# Altium PCB PCB_V2.0.PcbDoc (continued)
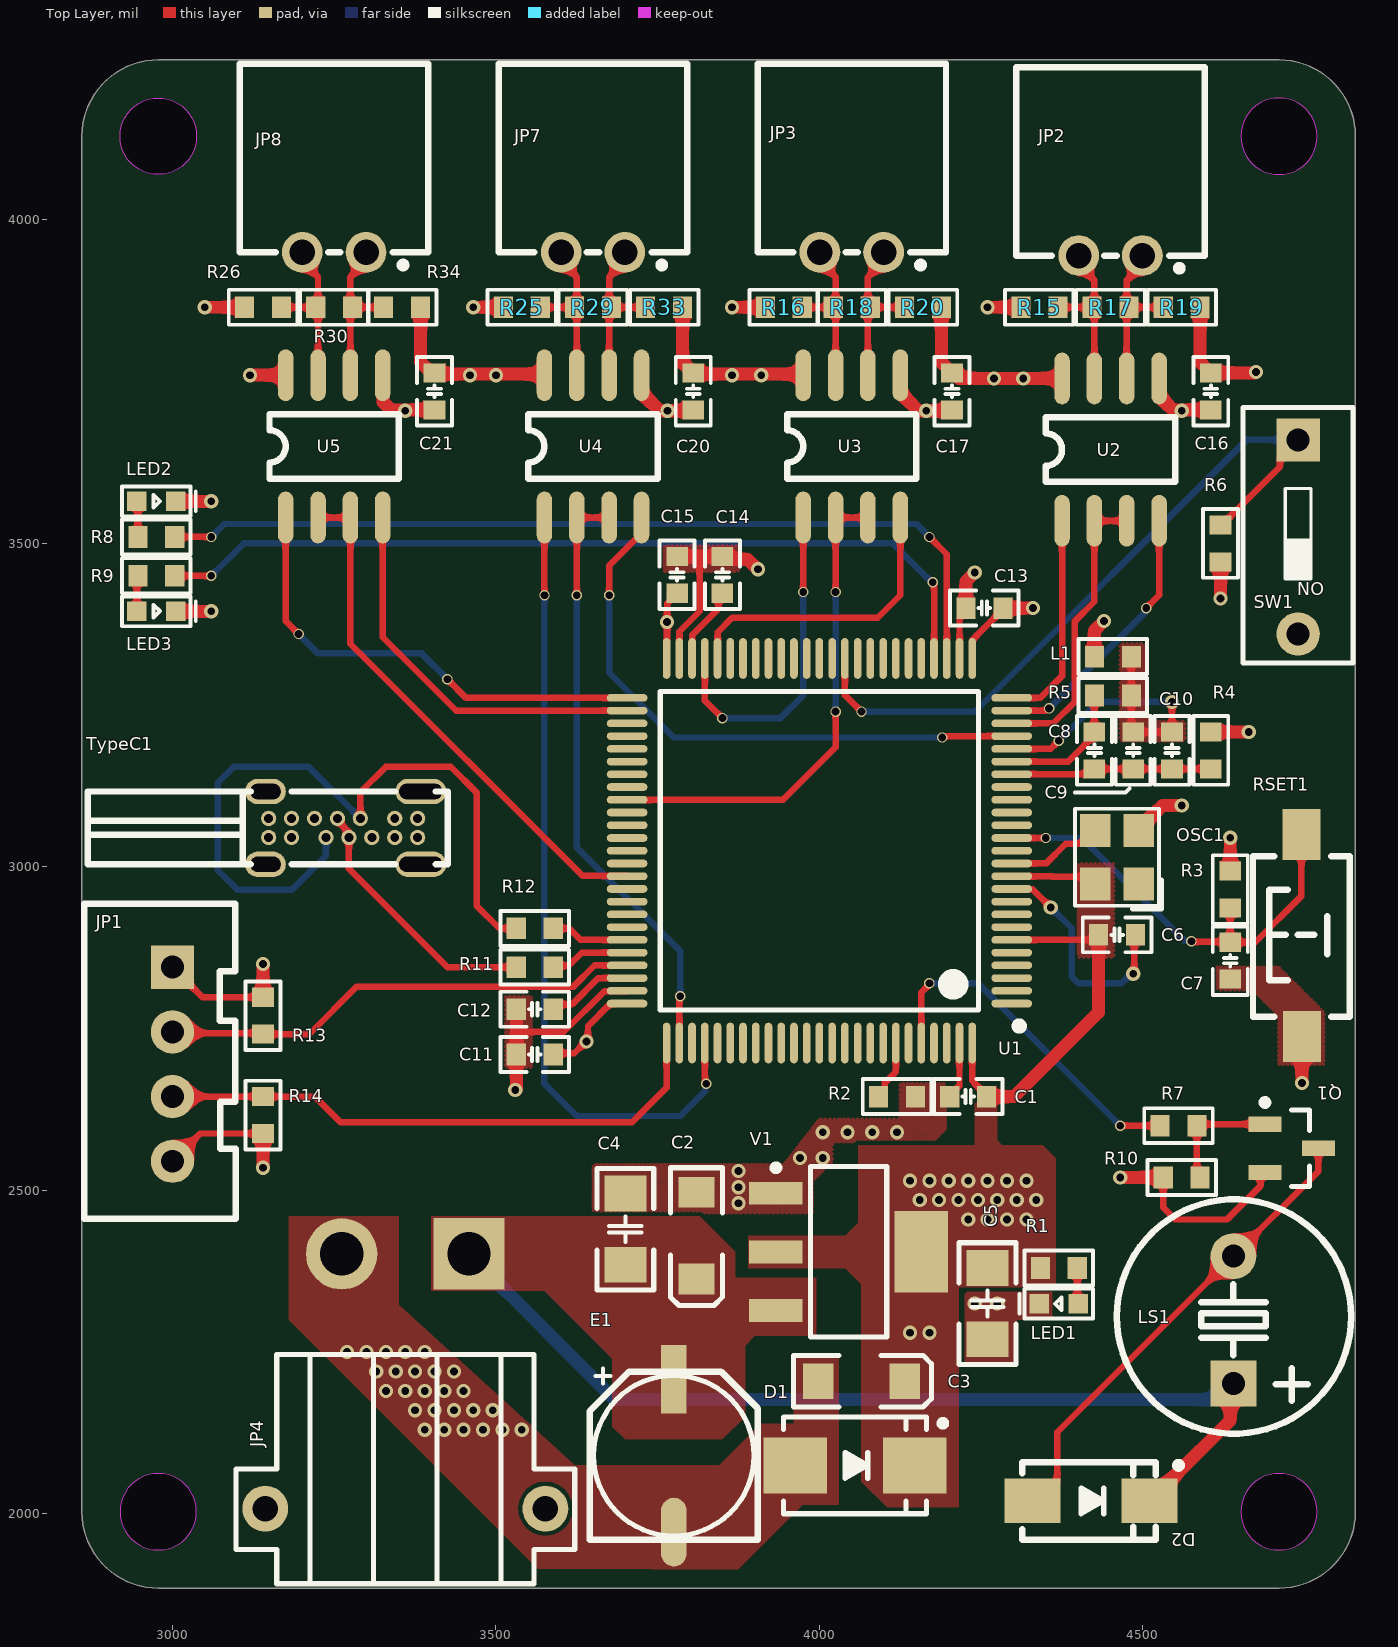
[diagram p0: Top Layer view]
## Components (designator, comment, footprint, x,y, rotation, side; value= is the part's Value field where it differs from the comment)
C1 "100nF" C0603_L 4230,2645 r0 top
C2 "10uF" C_3216 3810,2430 r90 top
C3 "10uF" C_3216 4065,2205 r180 top
C4 "100nF" C1206_L 3700,2440 r270 top
C5 "100nF" C1206_L 4260,2325 r90 top
C6 "100nF" C0603_L 4460,2895 r0 top
C7 "100nF" C0603_L 4635,2855 r90 top
C8 "1uF" C0603_L 4425,3180 r270 top
C9 "10uF" C0603_L 4485,3180 r90 top
C10 "10nF" C0603_L 4545,3180 r270 top
C11 "100nF" C0603_L 3560,2710 r0 top
C12 "2.2uF" C0603_L 3560,2780 r180 top
C13 "100nF" C0603_L 4255,3400 r180 top
C14 "2.2uF" C0603_L 3850,3451.46 r270 top
C15 "100uF" C0603_L 3780,3451.46 r270 top
C16 "100nF" C0603_L 4605,3735 r270 top
C17 "100nF" C0603_L 4205,3735 r270 top
C20 "100nF" C0603_L 3805,3735 r270 top
C21 "100nF" C0603_L 3405,3735 r270 top
D1 "SMBJ3.3A" SMB 4055,2075 r180 top
D2 "SS14" SMA 4420,2020 r0 top
E1 "220uF/25V" "CS 6*6 - B" 3775,2090 r90 top
JP1 "HDR-1X4" XH2.54-LI-4P 3000,2695 r270 top
JP2 "HDR-1X2" XH2.54-W-2P 4450,3945 r180 top
JP3 "HDR-1X2" XH2.54-W-2P 4050,3950 r180 top
JP4 "XT30-M" XT30PW-M 3360,2205 r180 top
JP7 "HDR-1X2" XH2.54-W-2P 3650,3950 r180 top
JP8 "HDR-1X2" XH2.54-W-2P 3250,3950 r180 top
L1 "磁珠" L0603 4453.54,3325 r0 top
LED1 "绿色" LED0603_B 4370,2325 r180 top
LED2 "红色" LED0603_G 2975,3565 r0 top
LED3 "红色" LED0603_R 2975,3395 r0 top
LS1 "DC5V" "BEEP 5x9x5.5" 4640,2300 r0 top
OSC1 "8MHz" XTAL-3225-4P 4460,3015 r90 top
Q1 "SS8050" SOT23-3N 4730,2565 r270 top
R1 "3KΩ" R0603_L 4370,2380 r0 top
R2 "10KΩ" R0603_L 4120,2645 r0 top
R3 "10KΩ" R0603_L 4635,2965 r90 top
R4 "0Ω" R0603_L 4605,3180 r270 top
R5 "10Ω" R0603_L 4453.54,3265 r180 top
R6 "10KΩ" R0603_L 4620,3500 r270 top
R7 "1KΩ" R0603_L 4555,2600 r0 top
R8 "1KΩ" R0603_L 2975,3510 r0 top
R9 "1KΩ" R0603_L 2975,3450 r0 top
R10 "10KΩ" R0603_L 4560,2520 r180 top
R11 "10Ω" R0603_L 3560,2845 r180 top
R12 "10Ω" R0603_L 3560,2905 r180 top
R13 "10K" R0603_L 3140,2770 r90 top
R14 "10K" R0603_L 3140,2616.46 r90 top
R15 "10KΩ" R0603_L 4340,3865 r180 top
R16 "10KΩ" R0603_L 3945,3865 r180 top
R17 "120Ω" R0603_L 4450,3865 r180 top
R18 "120Ω" R0603_L 4050,3865 r180 top
R19 "10KΩ" R0603_L 4560,3865 r180 top
R20 "10KΩ" R0603_L 4160,3865 r180 top
R25 "10KΩ" R0603_L 3540,3865 r180 top
R26 "10KΩ" R0603_L 3140,3865 r180 top
R29 "120Ω" R0603_L 3650,3865 r180 top
R30 "120Ω" R0603_L 3250,3865 r180 top
R33 "10KΩ" R0603_L 3760,3865 r180 top
R34 "10KΩ" R0603_L 3355,3865 r180 top
RSET1 "3x6x5" "SW SMD-3*6*2.5" 4745,2895 r90 top
SW1 "DIP-SW-1P" "SW DIP-1P" 4740,3510 r180 top
TypeC1 "U264-141N-4BAC10" USB-C-Type-侧插 3263.86,3060.24 r90 top
U1 "STM32H743VIT6" LQFP-100_L14.0-W14.0-P0.50-LS16.0-BL 4000,3025 r90 top
U2 "SSP485" SOP-8 4450,3645 r90 top
U3 "SSP485" SOP-8 4050,3650 r90 top
U4 "SSP485" SOP-8 3650,3650 r90 top
U5 "SSP485" SOP-8 3250,3650 r90 top
V1 "AMS1117-3V3" SOT223_L 4045,2405 r270 top

## Footprints (in the part's own frame and the unit in brackets; to place one, negate y for a bottom-side part, rotate by r counter-clockwise, add the part's x,y. Pads: shape width x height; smd on the part's side, far side on the other; paste and mask are expansions set on the pad)
"BEEP 5x9x5.5" [mm] "5*9*5.5mm(脚距,直径,高度)        淘宝ID:黄晶宝石"
  rect 1.8x1.8 hole 0.9: 1(0,-2.5)
  round 1.8 hole 0.9: 2(0,2.5)
  silkscreen extent -4.58,-4.47 4.62,4.72, body extent -4.5,-4.5 4.5,4.5, height 5.45
C0603_L [mm] "贴片MLCC电容"
  rect 0.75x0.85 smd: 1(-0.725,0) 2(0.725,0)
  silkscreen extent -1.35,-0.69 1.35,0.69, body extent -0.8,-0.4 0.8,0.4, height 0.8
C1206_L [mm] "贴片MLCC电容"
  rect 1.4x1.65 smd: 1(-1.4,0) 2(1.4,0)
  silkscreen extent -2.39,-1.12 2.39,1.12, body extent -1.6,-0.8 1.6,0.8, height 1.1
C_3216 [mm] "长3.2mm，宽1.6mm，厚1.6mm"
  rect 1.2x1.4 smd: 1(-1.7,0) 2(1.7,0)
  silkscreen extent -2.74,-1.02 2.67,1.02, body extent -1.6,-0.8 1.6,0.8, height 1.63
"CS 6*6 - B" [mm] "直径6mm，高6mm             联系卖家 免费人工查找封装"
  rect 2.7x1 smd: 1(3,0)
  oval 2.7x1 smd: 2(-3,0)
  silkscreen extent -3.3,-3.3 3.43,3.3, body extent -3.5,-3.15 3.5,3.15, height 6.05
L0603 [mm] "0603贴片叠层电感"
  rect 0.75x0.85 smd: 1(-0.725,0) 2(0.725,0)
  silkscreen extent -1.35,-0.69 1.35,0.69, body extent -0.8,-0.4 0.8,0.4, height 0.8
LED0603_B [mil] "蓝色0603LED"
  rect 30x30 smd: 1(-30,0) 2(30,0)
  silkscreen extent -53,-23 61,23, body extent -31,-16 32,16, height 24
LED0603_G [mil] "绿色LED"
  rect 30x30 smd: 1(-30,0) 2(30,0)
  silkscreen extent -53,-23 61,23, body extent -31,-16 31,16, height 24
LED0603_R [mil] "红色LED"
  rect 30x30 smd: 1(-30,0) 2(30,0)
  silkscreen extent -53,-23 61,23, body extent -31,-16 32,16, height 24
LQFP-100_L14.0-W14.0-P0.50-LS16.0-BL [mm]
  oval 0.3x1.6 smd paste-100 mask+0.051: 1(-6,-7.55) 2(-5.5,-7.55) 3(-5,-7.55) 4(-4.5,-7.55) 5(-4,-7.55) 6(-3.5,-7.55) 7(-3,-7.55) 8(-2.5,-7.55) 9(-2,-7.55) 10(-1.5,-7.55) 11(-1,-7.55) 12(-0.5,-7.55) 13(0,-7.55) 14(0.5,-7.55) 15(1,-7.55) 16(1.5,-7.55) 17(2,-7.55) 18(2.5,-7.55) 19(3,-7.55) 20(3.5,-7.55) 21(4,-7.55) 22(4.5,-7.55) 23(5,-7.55) 24(5.5,-7.55) 25(6,-7.55) 51(6,7.55) 52(5.5,7.55) 53(5,7.55) 54(4.5,7.55) 55(4,7.55) 56(3.5,7.55) 57(3,7.55) 58(2.5,7.55) 59(2,7.55) 60(1.5,7.55) 61(1,7.55) 62(0.5,7.55) 63(0,7.55) 64(-0.5,7.55) 65(-1,7.55) 66(-1.5,7.55) 67(-2,7.55) 68(-2.5,7.55) 69(-3,7.55) 70(-3.5,7.55) 71(-4,7.55) 72(-4.5,7.55) 73(-5,7.55) 74(-5.5,7.55) 75(-6,7.55)
  oval 1.6x0.3 smd paste-100 mask+0.051: 26(7.55,-6) 27(7.55,-5.5) 28(7.55,-5) 29(7.55,-4.5) 30(7.55,-4) 31(7.55,-3.5) 32(7.55,-3) 33(7.55,-2.5) 34(7.55,-2) 35(7.55,-1.5) 36(7.55,-1) 37(7.55,-0.5) 38(7.55,0) 39(7.55,0.5) 40(7.55,1) 41(7.55,1.5) 42(7.55,2) 43(7.55,2.5) 44(7.55,3) 45(7.55,3.5) 46(7.55,4) 47(7.55,4.5) 48(7.55,5) 49(7.55,5.5) 50(7.55,6) 76(-7.55,6) 77(-7.55,5.5) 78(-7.55,5) 79(-7.55,4.5) 80(-7.55,4) 81(-7.55,3.5) 82(-7.55,3) 83(-7.55,2.5) 84(-7.55,2) 85(-7.55,1.5) 86(-7.55,1) 87(-7.55,0.5) 88(-7.55,0) 89(-7.55,-0.5) 90(-7.55,-1) 91(-7.55,-1.5) 92(-7.55,-2) 93(-7.55,-2.5) 94(-7.55,-3) 95(-7.55,-3.5) 96(-7.55,-4) 97(-7.55,-4.5) 98(-7.55,-5) 99(-7.55,-5.5) 100(-7.55,-6)
  silkscreen extent -7.03,-8 6.25,6.25
R0603_L [mm] "1/10W贴片电阻"
  rect 0.75x0.85 smd: 1(-0.725,0) 2(0.725,0)
  silkscreen extent -1.35,-0.69 1.35,0.69, body extent -0.8,-0.4 0.8,0.4, height 0.4
SMA [mm] "4.5x2.6*2.2mm（长宽高，不包括引脚）联系卖家 免费查找封装"
  rect 2.2x1.75 smd: 1(-2.3,0) 2(2.3,0)
  silkscreen extent -2.7,-1.52 3.56,1.52, body extent -2.55,-1.3 2.55,1.3, height 2.15
SMB [mm] "4.7*3.9*2.2mm(长宽高，不包括引脚）联系卖家 免费查找封装"
  rect 2.5x2.2 smd: 1(2.35,0) 2(-2.35,0)
  silkscreen extent -3.57,-1.9 2.8,1.9, body extent -2.65,-1.8 2.65,1.8, height 2.35
SOP-8 [mil] "封装库来自淘宝卖家 ID：黄晶宝石"
  oval 80x24 smd: 1(-110,75) 2(-110,25) 3(-110,-25) 4(-110,-75) 5(110,-75) 6(110,-25) 7(110,25) 8(110,75)
  silkscreen extent -50,-100 50,100, body extent -118,-98 118,98, height 75
SOT23-3N [mm] "SOT23, 3-Leads, Body 2.9x1.3mm, Pitch 0.95mm, Lead Span 2.4mm, IPC Medium Density  联系卖家  获取最新版本"
  rect 0.6x1.3 smd: 1(-0.95,-1.05) 2(0.95,-1.05) 3(0,1.05)
  silkscreen extent -1.92,-1.17 1.5,0.7, body extent -1.5,-1.2 1.5,1.2, height 1.05
SOT223_L [mm] "SOT223, 4-Leads, Body 6.5x3.5mm, Pitch 2.3mm, Lead Span 7mm, IPC High Density"
  rect 0.9x2.1 smd: 1(-2.3,-2.85) 2(0,-2.85) 3(2.3,-2.85)
  rect 3.2x2.1 smd: 4(0,2.85)
  silkscreen extent -3.42,-2.97 3.35,1.5, body extent -3.25,-3.51 3.25,3.51, height 1.65
"SW DIP-1P" [mm] "4.1*9.9*7mm"
  rect 1.7x1.7 hole 0.9: 1(0,-3.81)
  round 1.7 hole 0.9: 2(0,3.81)
  silkscreen extent -2.16,-5.08 2.16,4.95, body extent -2.05,-4.95 2.05,4.95, height 6.65
"SW SMD-3*6*2.5" [mm] "3*6*2.5mm"
  rect 2x1.5 smd: 1(-3.996,-0.02) 2(3.937,0)
  silkscreen extent -3.21,-1.9 3.09,1.9, body extent -4,-1.75 4,1.75, height 2.59
USB-C-Type-侧插 [mm] "封装库来自淘宝ID:黄晶宝石"
  round 0.6 hole 0.35: 1(0.375,2.925) 2(0.375,2.025) 3(0.375,1.125) 4(0.375,0.225) 5(0.375,-0.675) 6(0.375,-2.025) 7(0.375,-2.925) 8(-0.375,-2.925) 9(-0.375,-2.025) 10(-0.375,-1.125) 11(-0.375,-0.225) 12(-0.375,0.675) 13(-0.375,2.025) 14(-0.375,2.925)
  oval 1x1.6 hole 0.6 slot 1.2 at 90 deg: 15(-1.43,3.05) 16(1.43,3.05)
  oval 1x2 hole 0.6 slot 1.7 at 90 deg: 17(-1.43,-3.05) 18(1.43,-3.05)
  silkscreen extent -1.43,-4.1 1.43,10.03
XH2.54-LI-4P [mm] "接插件，4P"
  rect 1.7x1.7 hole 0.9: 1(-3.81,0)
  round 1.7 hole 0.9: 2(-1.27,0) 3(1.27,0) 4(3.81,0)
  silkscreen extent -6.3,-3.45 6.07,2.49, body extent -6.31,-3.3 6.31,2.4, height 7.05
XH2.54-W-2P [mm]
  round 1.6 hole 1: 1(-1.25,0) 2(1.25,0)
  silkscreen extent -3.7,-7.4 3.7,0.6
XT30PW-M [mm] "TH, 4-Leads, Body 13.95x13.3mm"
  rect 2.8x2.8 hole 1.7: 1(-2.5,-5)
  round 2.8 hole 1.7: 2(2.5,-5)
  round 1.8 hole 1: MP1(-5.5,5) MP2(5.5,5)
  silkscreen extent -6.65,-1.05 6.65,7.95, body extent -6.65,-6 6.65,7.95, height 5.05
XTAL-3225-4P [mm] "3.2*2.5*0.7mm(长宽高)                             淘宝ID:黄晶宝石"
  rect 1.3x1.2 smd: 1(-1.05,-0.85) 2(1.05,-0.85) 3(1.05,0.85) 4(-1.05,0.85)
  silkscreen extent -2.03,-1.75 1.91,1.65, body extent -1.6,-1.25 1.6,1.25, height 0.7

## Part data
C1 C4 C5 C6 C7 C8 C9 C10 C11 C12 C13 C14 C15: library part C, "贴片电容/MLCC电容", BOM名称=无极性贴片电容, 联系下单店铺卖家 免费帮你查找封装="联系下单店铺卖家 免费技术指导"
C2 C3: library part CT, "贴片钽电容", BOM名称=贴片钽电容, 联系下单店铺卖家 免费帮你查找封装="联系下单店铺卖家 免费技术指导"
C16 C17 C20 C21: library part CC, "瓷片电容", BOM名称=直插瓷片电容, 当前库版本V2024.8.30，下一版本发布时间2024年10月份 @淘宝卖家:黄晶宝石=最新版本发布网址https://item.taobao.com/item.htm?id=566775463719
D1: library part SMBJ30A-E3/52, "30V 600W瞬态抑制二极管", BOM名称=TVS瞬态抑制二极管, 属性="30V 600W", 当前库版本V2024.8.30，下一版本发布时间2024年10月份 @淘宝卖家:黄晶宝石=最新版本发布网址https://item.taobao.com/item.htm?id=566775463719
D2: "肖特基二极管", BOM名称=肖特基二极管, 属性=40V/1A, 当前库版本V2024.8.30，下一版本发布时间2024年10月份 @淘宝卖家:黄晶宝石=最新版本发布网址https://item.taobao.com/item.htm?id=566775463719
E1: library part CS_SMD, "贴片固态电容", BOM名称=贴片固态电容, 联系下单店铺卖家 免费帮你查找封装="联系下单店铺卖家 免费技术指导"
JP1: library part "Header 4", "4P接插件", BOM名称=4P接插件, 封装库来自淘宝卖家ID：黄晶宝石=其他店铺购入均为盗版封装库，请立即申请退款，本店现金奖励50~200元, 联系卖家，免费查找封装=唯一出售店铺网址https://shop463601444.taobao.com
JP2 JP3 JP7 JP8: library part "Header 2", "2P接插件", BOM名称=2P接插件, 封装库来自淘宝卖家ID：黄晶宝石=其他店铺购入均为盗版封装库，请立即申请退款，本店现金奖励50~200元, 联系卖家，免费查找封装=唯一出售店铺网址https://shop463601444.taobao.com
JP4: "XT30公头", 当前库版本V2024.5.31，下一版本发布时间2024年8月份 @淘宝卖家:黄晶宝石=最新版本发布网址https://item.taobao.com/item.htm?id=566775463719
L1: library part L, "贴片小功率电感", BOM名称=小功率贴片电感, 联系下单店铺卖家 免费帮你查找封装="联系下单店铺卖家 免费技术指导"
LED1 LED2 LED3: library part LED, "贴片LED", BOM名称=贴片LED, 封装库来自淘宝卖家：黄晶宝石=其他店铺购入均为盗版封装库，无更新权益，请立即申请退款，本店现金奖励200~1000元
LS1: library part BEEP, "蜂鸣器", BOM名称=蜂鸣器, 联系下单店铺卖家 免费技术支持="联系下单店铺卖家 免费帮你查找封装"
OSC1: library part XTAL-OT2EL4C4JI, JLCPCB Part Class="Extended Part", LCSC Part Name="8MHZ?1.8V-3.3V?±10PPM YSO110TR", Manufacturer=YXC(扬兴晶振), Manufacturer Part=OT2EL4C4JI-111OLP-8M, Normal temperature Frequency Tolerance=±10ppm, Operating Temperature=-40℃~+85℃, Supply Voltage=1.8V~3.3V, Add into BOM=yes, Convert to PCB=yes, Datasheet=https://atta.szlcsc.com/upload/public/pdf/source/20221009/1148DEA51132416CC556CBB25766F9C8.pdf, Device=OT2EL4C4JI-111OLP-8M, Output Type=CMOS, Supplier=LCSC, Supplier Footprint=SMD3225-4P, Supplier Part=C5189450, Symbol=OT2EL4C4JI-111OLP-8M
Q1: library part 8050-SMD, "高频放大-NPN型", BOM名称=高频放大-NPN型, 参数="40V 1.5A 1W 100MHZ", 当前库版本V2024.8.30，下一版本发布时间2024年10月份 @淘宝卖家:黄晶宝石=最新版本发布网址https://item.taobao.com/item.htm?id=566775463719
R1 R2 R3 R4 R5 R6 R7 R8 R9 R10 R11 R12 R13 R14 R15 R16 R17 R18 R19 R20 R25 R26 R29 R30 R33 R34: library part R, "贴片电阻", BOM名称=贴片电阻, 联系下单店铺卖家 免费帮你查找封装="联系下单店铺卖家 免费技术指导"
RSET1: library part SW-PB, "微动开关", BOM名称=3x6轻触开关, 联系下单店铺卖家 免费技术支持="联系下单店铺卖家 免费帮你查找封装"
SW1: "1路拨码开关", BOM名称=1路拨码开关, 联系下单店铺卖家 免费技术支持="联系下单店铺卖家 免费帮你查找封装"
TypeC1: library part USB3.0-Type-C-侧插, Current Rating - Power (Max)=3A, JLCPCB Part Class="Extended Part", LCSC Part Name="Type-C 母 侧插", Manufacturer="XKB Connectivity(中国星坤)", Operating Temperature Range=-40℃~+85℃, Soldering Temperature(Max)=235℃, Add into BOM=yes, Connector Type=Type-C, Contact Material=铜合金, Contact Plating=金, Convert to PCB=yes, Datasheet=https://atta.szlcsc.com/upload/public/pdf/source/20211011/3C526B1D157DB714A375BD92771BEA39.pdf, Device=U264-141N-4BAC10, Gender=母, Manufacturer Part=U264-141N-4BAC10, Mounting Style=侧插, Number of Contacts=14P, Number of Ports=1, Standard="USB 3.1", Supplier=LCSC, Supplier Footprint=插件, Supplier Part=C692526, Symbol=U264-141N-4BAC10
U1: library part STM32H743VIT6_C114409, JLCPCB Part Class="Extended Part", LCSC Part Name="带DSP和DP-FPU的高性能ARM Cortex-M7 MCU，具有2 MB Flash、1 MB RAM、480 MHz CPU、ART加速器、一级缓存、外部存储器接口和大量外设", Low-Voltage Detect=有, Manufacturer=ST(意法半导体), Operating Temperature Range=-40℃~+85℃, Operating Voltage Range=1.71V~3.6V, ADC (Bit)=16bit, Add into BOM=yes, Convert to PCB=yes, CPU Core=-, CPU Maximum Speed=480MHz, DAC (Bit)=12bit, Datasheet=https://atta.szlcsc.com/upload/public/pdf/source/20200508/C529058_DA70143F266D6D825C3A912656F12A87.pdf, Device=STM32H743VIT6_C114409, Direct Memory Access=有, GPIO Ports Number=82, Infrared Data Association=有, Internal Oscillator=有, LCD Module=有, Manufacturer Part=STM32H743VIT6, Program Storage Size=2MB, Secure Digital Input and Output=有, Supplier=LCSC, Supplier Footprint=LQFP-100(14x14), Supplier Part=C114409, Symbol=stm32h743vit6_c114409, Universal Serial Bus=有, Watchdog=有
U2 U3 U4 U5: library part MAX3485CSA, "RS485/RS422收发器芯片", 当前库版本V2024.8.30，下一版本发布时间2024年10月份 @淘宝卖家:黄晶宝石=最新版本发布网址https://item.taobao.com/item.htm?id=566775463719
V1: library part AMS1117, "三端稳压芯片", BOM名称=稳压芯片, 当前库版本V2024.8.30，下一版本发布时间2024年10月份 @淘宝卖家:黄晶宝石=最新版本发布网址https://item.taobao.com/item.htm?id=566775463719, 联系下单店铺卖家 免费帮你查找封装="联系下单店铺卖家 免费技术支持"

## Via types
v1: diameter 22, hole 12, Top Layer to Bottom Layer, 47 vias
v2: diameter 22, hole 12, Top Layer to Bottom Layer, tented both sides, 46 vias
v3: diameter 16, hole 12, Top Layer to Bottom Layer, 24 vias

## Nets (pads, with @x,y where several pads share a name; then routed paths per layer and width w, separated by ;. In a path a pad name is that pad's centre, name@x,y a point inside that pad or via, vN(x,y) a via of type N, cw(c..) or ccw(c..) an arc to the next point about the centre after c; other vN are vias at no path point)
BEEP: R7.1 U1.96 | length 545.1
  Top Layer w10: U1.96 4157.48,2805.86 4170,2818.38 v3(4170,2820) ; v3(4465,2600) 4526.22,2600 R7.1@4526.46,2599.76
  Bottom Layer w10: v3(4170,2820) 4245,2820 v3(4465,2600)
GND: C1.1 C2.2 C3.2 C4.1 C5.1 C6.2 C7.1 C11.1 C12.2 C13.1 C14.1 C15.1 C16.2 C17.2 C20.2 C21.2 D1.1 E1.2 JP1.4 JP4.2 LED1.2 LED2.2 LED3.2 OSC1.2 Q1.2 R2.2 R4.1 R10.2 R14.1 R15.2 R16.2 R25.2 R26.2 RSET1.1 SW1.2 TypeC1.1 TypeC1.7 TypeC1.8 TypeC1.14 TypeC1.15 TypeC1.16 TypeC1.17 TypeC1.18 U1.10 U1.26 U1.49 U1.74 U1.99 U2.5 U3.5 U4.5 U5.5 V1.1 | length 2729.2
  Top Layer w10: JP1.4 3042.91,2587.91 R14.1 ; 3531.46,2745 3605,2745 3668.11,2808.11 3702.41,2808.11 U1.74 ; U1.49 3783.46,3363.46 3815,3395 3815,3480 ; C1.1 4201.46,2646.97 4216.54,2662.05 U1.99 ; U1.26 4236.57,3322.59 4236.57,3351.05 4283.54,3398.03 C13.1 ; U1.10 4297.59,2965.59 4329.41,2965.59 v1(4357.7,2937.3) ; v1(4485,2835) 4486.77,2836.77 4486.77,2893.23 C6.2 ; R10.2 4531.46,2473.54 4550,2455 4630,2455 4681.65,2506.65 4681.65,2520.79 4688.46,2527.6 Q1.2
  Top Layer w20: LED3.2 v1(3060,3395) ; LED2.2 v1(3060,3565) ; v1(3050,3865) R26.2 ; v1(3140,2535) R14.1 ; U5.5 3325.77,3759.23 3325.77,3718.17 3337.48,3706.46 C21.2 ; v1(3465,3865) R25.2 ; v1(3530,2655) 3530,2655.54 3531.46,2657 C11.1 3531.46,2745 3531.46,2761.97 ; U4.5 3725,3733.08 3753.08,3705 v1(3765,3705) 3803.54,3705 C20.2 ; C15.1@3795,3480 3815,3480 C14.1 3854.76,3475.24 3889.22,3475.24 3904.46,3460 v1(3905,3460) ; v1(3865,3865) R16.2 ; U3.5 4125,3733.08 4153.08,3705 v1(4165,3705) 4203.54,3705 C17.2 ; v1(4260,3865) R15.2 ; C13.1 v1(4330,3400) ; v1(4465,2520) R10.2 ; OSC1.2 4493.46,3058.31 4530.16,3095 v1(4560,3095) ; U2.5 4525,3728.08 4546.63,3706.46 C16.2 ; R4.1 v1(4663.54,3208.54) ; v1(4745.79,2665.79) RSET1.1
  Bottom Layer w10: v1(4357.7,2937.3) 4390,2905 4390,2830 4400,2820 4466.75,2820 4481.75,2835 v1(4485,2835)
  other v1: 4240,2325 4275,2325 3875,2480 3875,2505 3875,2530 3970,2550 4005,2550 4005,2590 4043.33,2590 4081.67,2590 4120,2590 3360,3705 4560,3705
  other v2: 3390,2130 3420,2130 3450,2130 3480,2130 3510,2130 3540,2130 3375,2160 3405,2160 3435,2160 3465,2160 3495,2160 3330,2190 3360,2190 3390,2190 3420,2190 3450,2190 3315,2220 3345,2220 3375,2220 3405,2220 3435,2220 3270,2250 3300,2250 3330,2250 3360,2250 3390,2250
HS_DN: R12.1 U1.70 | length 121.6
  Top Layer w10: R12.1 3612.8,2905 3630.6,2887.2 U1.70
HS_DP: R11.1 U1.71 | length 123.5
  Top Layer w10: R11.1 3590.99,2847.45 3612.45,2847.45 3632.52,2867.52 U1.71
LED1: R8.2 U1.28 | length 1381.9
  Top Layer w10: R8.2 v3(3060,3510) ; v3(4170,3510) 4196.85,3483.15 U1.28
  Bottom Layer w10: v3(3060,3510) 3080,3530 4150,3530 v3(4170,3510)
LED2: R9.2 U1.29 | length 1335.7
  Top Layer w10: R9.2 v3(3060,3450) ; v3(4175,3440) 4175,3438.38 4177.17,3436.21 U1.29
  Bottom Layer w10: v3(3060,3450) 3110,3500 4113.38,3500 4173.38,3440 v3(4175,3440)
NetC7_2: C7.2 R3.1 RSET1.2 U1.14 | length 691.6
  Top Layer w10: U1.14 v3(4349.69,3044.69) ; v3(4575,2885) 4575.73,2884.27 C7.2@4634.27,2884.27 ; R3.1 4635,2885 C7.2@4634.27,2884.27 ; RSET1.2 4745,2955 4673.54,2883.54 C7.2 C7.2@4634.27,2884.27
  Bottom Layer w10: v3(4349.69,3044.69) 4405.31,3044.69 4563.85,2886.15 4573.85,2886.15 v3(4575,2885)
NetC8_1: C8.1 R5.2 U1.20 | length 206.4
  Top Layer w10: U1.20 4384.77,3162.8 4425,3203.03 4425,3205 R5.2
NetC8_2: C8.2 C9.1 C10.2 R4.2 U1.19 | length 315.9
  Top Layer w10: U1.19 4297.59,3143.46 4417,3143.46 C8.2 R4.2 ; C8.2@4423.11,3143.11 4425,3145 C8.2@4425,3146.97
NetC9_2: C9.2 C10.1 L1.2 R5.1 U1.21 | length 501.9
  Top Layer w10: U1.21 4357.48,3182.48 v3(4370,3195) ; L1.2 R5.1 4482.09,3211.46 C9.2 C10.1 v1(4545,3255)
  Bottom Layer w10: v3(4370,3195) 4430,3255 v1(4545,3255)
NetC12_1: C12.1 U1.73 | length 129.2
  Top Layer w10: C12.1@3593.54,2780 3600.99,2787.45 3617.45,2787.45 3658.15,2828.15 U1.73
NetC14_2: C14.2 U1.48 | length 125.1
  Top Layer w10: U1.48 3803.15,3358.15 3844.01,3399.01 3844.01,3413.15 3848.15,3413.15 C14.2@3857.45,3422.45
NetD2_1: D2.1 LS1.2 Q1.3 | length 758.2
  Top Layer w10: D2.1 4338.31,2020 4367.76,2049.45 4367.76,2126.18 LS1.2@4635,2393.43 ; LS1.2@4635,2418.43 LS1.2@4635,2393.43 ; Q1.3 4771.34,2529.76 LS1.2@4635,2393.43
NetJP2_1: JP2.1 R17.1 R19.2 U2.6 | length 252.9
  Top Layer w10: U2.6 4475,3906.45 4499.21,3930.66 JP2.1 ; R17.1 R19.2
NetJP2_2: JP2.2 R15.1 R17.2 U2.7 | length 252.9
  Top Layer w10: R15.1 R17.2 ; JP2.2 4400.79,3930.66 4425,3906.45 U2.7
NetJP3_1: JP3.1 R18.1 R20.2 U3.6 | length 252.9
  Top Layer w10: U3.6 4075,3911.45 4099.21,3935.66 JP3.1 ; R18.1 R20.2
NetJP3_2: JP3.2 R16.1 R18.2 U3.7 | length 251.5
  Top Layer w10: R16.1 R18.2 R18.2@4025,3865 ; JP3.2 4000.79,3935.66 4025,3911.45 R18.2@4025,3865 ; U3.7 R18.2@4025,3865
NetJP7_1: JP7.1 R29.1 R33.2 U4.6 | length 252.9
  Top Layer w10: U4.6 3675,3911.45 3699.21,3935.66 JP7.1 ; R29.1 R33.2
NetJP7_2: JP7.2 R25.1 R29.2 U4.7 | length 256.5
  Top Layer w10: R25.1 R29.2 R29.2@3625,3865 ; JP7.2 3600.79,3935.66 3625,3911.45 R29.2@3625,3865 ; U4.7 R29.2@3625,3865
NetJP8_1: JP8.1 R30.1 R34.2 U5.6 | length 247.9
  Top Layer w10: U5.6 3275,3911.45 3299.21,3935.66 JP8.1 ; R30.1 R34.2
NetJP8_2: JP8.2 R26.1 R30.2 U5.7 | length 256.5
  Top Layer w10: R26.1 R30.2 R30.2@3225,3865 ; JP8.2 3200.79,3935.66 3225,3911.45 R30.2@3225,3865 ; U5.7 R30.2@3225,3865
NetLED1_1: LED1.1 R1.2 | length 55.6
  Top Layer w10: R1.2 4398.54,2326.46 LED1.1
NetLED2_1: LED2.1 R8.1 | length 55
  Top Layer w10: R8.1 LED2.1@2946.46,3565
NetLED3_1: LED3.1 R9.1 | length 53.8
  Top Layer w10: LED3.1@2945,3396.15 R9.1@2945,3450
NetOSC1_3: OSC1.3 U1.12 | length 151.6
  Top Layer w10: U1.12 4350.32,3005.32 4380.75,3035.75 4407.91,3035.75 4426.54,3054.37 OSC1.3
NetQ1_1: Q1.1 R7.2 R10.1 | length 168.2
  Top Layer w10: R10.1@4583.54,2535 4583.54,2595 4590.94,2602.4 Q1.1
NetR2_1: R2.1 U1.94 | length 93.8
  Top Layer w10: R2.1 4101.22,2654.76 4101.22,2666.22 4118.11,2683.11 U1.94
NetR11_2: R11.2 TypeC1.4 TypeC1.11 | length 406.9
  Top Layer w10: TypeC1.4 3255,3071.31 3270.11,3056.2 3270.11,3048.08 TypeC1.11 3272.72,2997.28 3425,2845 R11.2
NetR12_2: R12.2 TypeC1.5 TypeC1.12 | length 1132.4
  Top Layer w10: TypeC1.5 3290.43,3115.43 3330,3155 3430,3155 3470,3115 3470,2940 3505,2905 R12.2
  Bottom Layer w10: TypeC1.12 3237.28,3017.28 3185,2965 3100,2965 3070,2995 3070,3130 3095,3155 3210.43,3155 TypeC1.5
SW1: R6.1 SW1.1 U1.36 | length 1124.1
  Top Layer w10: U1.36 4039.37,3265.63 v3(4065,3240) ; R6.1 4621.97,3528.54 4711.54,3618.11 4711.54,3631.54 SW1.1
  Bottom Layer w10: v3(4065,3240) 4240,3240 4660,3660 SW1.1
SWCLK: JP1.3 R14.2 U1.76 | length 871.6
  Top Layer w10: JP1.3 R14.2 3220,2645 3260,2605 3710,2605 3763.78,2658.78 U1.76
SWDIO: JP1.2 R13.1 U1.72 | length 743.3
  Top Layer w10: JP1.2 3001.77,2743.23 3138.23,2743.23 R13.1 ; R13.1@3145,2741.46 3211.46,2741.46 3285,2815 3620,2815 3652.83,2847.83 U1.72
UART2DE: U1.23 U2.2 U2.3 | length 453.7
  Top Layer w10: U1.23 4361.53,3221.85 4395,3255.32 4395,3380 4425,3410 U2.2 U2.3
UART2RX: U1.25 U2.1 | length 331.8
  Top Layer w10: U1.25 4341.22,3261.22 4375,3295 U2.1
UART2TX: U1.24 U2.4 | length 419.6
  Top Layer w10: U1.24 4349.92,3241.54 4353.38,3245 v3(4355,3245) ; v3(4505,3400) 4525,3420 U2.4
  Bottom Layer w10: v3(4355,3245) 4503.85,3393.85 4503.85,3398.85 v3(4505,3400)
UART3DE: U1.59 U3.2 U3.3 | length 760.9
  Top Layer w10: U1.59 3943.74,3103.74 4025,3185 v3(4025,3240) ; v3(4025,3425) U3.2 U3.3
  Bottom Layer w10: v3(4025,3240) v3(4025,3425)
UART3RX: U1.47 U3.1 | length 518
  Top Layer w10: U1.47 3822.83,3257.17 v3(3850,3230) ; v3(3975,3425) U3.1
  Bottom Layer w10: v3(3850,3230) 3940,3230 3975,3265 v3(3975,3425)
UART3TX: U1.46 U3.4 | length 466.6
  Top Layer w10: U1.46 3842.87,3322.59 3842.87,3362.87 3865,3385 4090,3385 4125,3420 U3.4
UART4DE: U1.77 U4.2 U4.3 | length 929.2
  Top Layer w10: v3(3625,3420) U4.2 U4.3 ; U1.77 3783.46,2796.84 3785,2798.38 v3(3785,2800)
  Bottom Layer w10: v3(3625,3420) 3625,3030 3785,2870 v3(3785,2800)
UART4RX: U1.79 U4.1 | length 1235.9
  Top Layer w10: v3(3575,3420) U4.1 ; U1.79 3822.83,2668.79 3825,2666.62 v3(3825,2665)
  Bottom Layer w10: v3(3575,3420) 3575,2665 3625,2615 3785,2615 3823.85,2653.85 3823.85,2663.85 v3(3825,2665)
UART4TX: U1.22 U4.4 | length 925.3
  Top Layer w10: v3(3675,3420) 3675,3465.88 3714.12,3505 3714.21,3505 3725,3515.79 U4.4 ; v3(4190,3200) 4191.62,3200 4193.79,3202.17 U1.22
  Bottom Layer w10: v3(3675,3420) 3675,3300 3775,3200 v3(4190,3200)
UART5DE: U1.65 U5.2 U5.3 | length 821.6
  Top Layer w10: U5.2 U5.3 3275,3345 3634.02,2985.98 3702.41,2985.98 U1.65
UART5RX: U1.51 U5.1 | length 737
  Top Layer w10: U5.1 3175,3380 v3(3195,3360) ; v3(3425,3290) 3453.78,3261.22 U1.51
  Bottom Layer w10: v3(3195,3360) 3225,3330 3385,3330 v3(3425,3290)
UART5TX: U1.52 U5.4 | length 609.8
  Top Layer w10: U5.4 3325,3355 3438.46,3241.54 U1.52
VCC_3.3V: C1.2 C3.1 C5.2 C6.1 C11.2 C13.2 C15.2 C16.1 C17.1 C20.1 C21.1 D1.2 JP1.1 L1.1 OSC1.4 R1.1 R3.2 R6.2 R13.2 R19.1 R20.1 R33.1 R34.1 U1.6 U1.11 U1.27 U1.50 U1.75 U1.100 U2.8 U3.8 U4.8 U5.8 V1.2 V1.4 | length 2572.4
  Top Layer w10: JP1.1 3046.46,2798.54 R13.2 ; C11.2 3590.51,2711.97 3621.26,2711.97 3639.29,2730 v1(3640,2730) 3642.3,2732.3 3642.3,2753.91 3677.17,2788.78 U1.75 ; U1.50 3764.13,3322.59 3764.13,3349.46 3764.62,3349.95 3764.62,3407.29 3768.27,3410.94 3768.27,3413.15 3778.03,3422.91 C15.2 ; U1.27 4216.54,3383.11 C13.2@4229.94,3396.52 ; U1.100 4236.22,2669.29 C1.2@4258.54,2646.97 ; U1.11 4297.56,2985.32 4359.69,2985.32 4360,2985 4415.2,2985 OSC1.4 ; U1.6@4297.34,2887.3 4423.76,2887.3 C6.1
  Top Layer w20: v1(3120,3760) U5.8 3175,3761.7 U5.8@3173.15,3763.54 ; R13.2 v1(3140,2850) ; R34.1 3383.54,3780.02 3395.26,3768.31 3400.24,3768.31 C21.1 3406.77,3761.77 3573.23,3761.77 U4.8 ; R33.1 3788.54,3778.03 3804.8,3761.77 3973.23,3761.77 U3.8 ; R20.1 4188.54,3780 4198.27,3770.28 4198.27,3768.31 4203.03,3763.54 C17.1 ; C17.1@4215.51,3755 v1(4270,3755) v1(4315,3755) U2.8 ; C13.2 4226.46,3441.46 v1(4240,3455) ; C1.2@4258.54,2646.97 C1.2 4301.25,2645 4431.46,2775.21 C6.1 ; L1.1 4425,3365 v1(4440,3380) ; R19.1 4588.54,3780 4598.27,3770.28 4598.27,3768.31 4603.03,3763.54 C16.1 4673,3763.54 4674.46,3765 v1(4675,3765) ; v1(4620,3415) R6.2 ; R3.2 v1(4635,3045)
  other v1: 3764.62,3378.62 3460,3760 3500,3760 3865,3760 3910,3760
  other v2: 4140,2280 4170,2280 4230,2455 4260,2455 4290,2455 4320,2455 4155,2485 4185,2485 4215,2485 4245,2485 4275,2485 4305,2485 4335,2485 4140,2515 4170,2515 4200,2515 4230,2515 4260,2515 4290,2515 4320,2515
VCC_5V: C2.1 C4.2 D2.2 E1.1 JP4.1 LS1.1 V1.3 | length 1533.2
  Top Layer w20: D2.2 4519.41,2020 4543.86,2044.45 4543.86,2053.31 4635,2144.45 LS1.1@4635,2221.57
  Bottom Layer w20: JP4.1 3683.7,2176.57 LS1.1@4640,2176.57
pads on no net: JP4.MP1 JP4.MP2 OSC1.1 TypeC1.2 TypeC1.3 TypeC1.6 TypeC1.9 TypeC1.10 TypeC1.13 U1.1 U1.2 U1.3 U1.4 U1.5 U1.7 U1.8 U1.9 U1.13 U1.15 U1.16 U1.17 U1.18 U1.30 U1.31 U1.32 U1.33 U1.34 U1.35 U1.37 U1.38 U1.39 U1.40 U1.41 U1.42 U1.43 U1.44 U1.45 U1.53 U1.54 U1.55 U1.56 U1.57 U1.58 U1.60 U1.61 U1.62 U1.63 U1.64 U1.66 U1.67 U1.68 U1.69 U1.78 U1.80 U1.81 U1.82 U1.83 U1.84 U1.85 U1.86 U1.87 U1.88 U1.89 U1.90 U1.91 U1.92 U1.93 U1.95 U1.97 U1.98

## Polygon pours and split planes (outlines as drawn)
GND on Top Layer "NONET_L-01_P-001" (hatched 45Degree grid 5 track 5, remove dead copper, pour order 13): 3760,3496.46 3760,3456.46 3875,3456.46 3875,3496.46
VCC_3.3V on Top Layer "Top Layer-VCC_3.3V" (solid, remove dead copper, pour order 17): 3890,2380 4040,2380 4065,2355 4065,2050 4105,2010 4215,2010 4215,2350 4365,2350 4365,2550 4345,2570 4282.5,2570 4275,2577.5 4275,2660 4249.25,2660 4240,2650.75 4240,2570 4060,2570 4060,2450 4040,2430 3890,2430
GND on Top Layer "NONET_L-01_P-001" (solid, remove dead copper, pour order 15): 4225,2235 4300,2235 4305,2240 4305,2300 4360,2300 4360,2345 4230,2345 4225,2340
NetC9_2 on Top Layer "NONET_L-01_P-001" (hatched 45Degree grid 5 track 5, remove dead copper, pour order 14): 4465,3345 4465,3195 4565,3195 4565,3225 4515,3225 4505,3235 4505,3340 4500,3345
GND on Top Layer "NONET_L-01_P-001" (hatched 45Degree grid 5 track 5, remove dead copper, pour order 12): 3515,2800 3515,2690 3555,2690 3555,2800
GND on Top Layer "Top Layer-GND 1" (hatched 45Degree grid 5 track 5, remove dead copper, pour order 11): 3650,2465 3989.3,2465 3989.3,2515.7 3990,2515 4020,2545 4020,2575 4175,2575 4195,2595 4195,2665 4125,2665 4125,2610 4000,2610 3945,2540 3943.33,2540 3650,2540
GND on Top Layer "NONET_L-01_P-001" (hatched 45Degree grid 5 track 5, remove dead copper, pour order 9): 4615,2845 4615,2810 4670,2810 4710,2770 4710,2695 4780,2695 4780,2700 4780,2775 4710,2845
GND on Top Layer "Top Layer-GND" (solid, remove dead copper, pour order 8): 3180,2300 3565,1915 3740,1915 3740,1914.38 3874.38,1914.38 3974.38,2014.38 4030,2014.38 4030,2185 4030,2194.38 4030,2244.38 3965,2244.38 3960,2239.38 3960,2139.38 3909.38,2139.38 3845,2075 3622.02,2075 3350,2323.16 3350,2460 3180,2460
VCC_3.3V on Top Layer "NONET_L-01_P-001" (hatched 45Degree grid 5 track 5, remove dead copper, pour order 6): 4400,3005 4455,3005 4455,2860 4400,2860
VCC_5V on Top Layer "NONET_L-01_P-001" (solid, remove dead copper, pour order 0): 3400,2460 3400,2345 3575,2345 3680,2240 3680,2135 3700,2115 3850,2115 3885,2150 3885,2260 3900,2275 3995,2275 3995,2365 3870,2365 3870,2405 3815,2460
GND on GND (split plane): 4729.54,4225.64 4741.95,4222.32 4753.82,4217.4 4764.95,4210.98 4775.14,4203.16 4784.23,4194.07 4792.05,4183.88 4798.48,4172.75 4803.39,4160.88 4806.72,4148.47 4808.39,4135.73 4808.39,4129.31 4808.39,2003.32 4808.39,1996.9 4806.72,1984.16 4803.39,1971.75 4798.48,1959.88 4792.05,1948.75 4784.23,1938.56 4775.14,1929.47 4764.95,1921.65 4753.82,1915.23 4741.95,1910.31 4729.54,1906.99 4716.81,1905.31 2971.67,1905.31 2958.94,1906.99 2946.53,1910.31 2934.65,1915.23 2923.53,1921.65 2913.33,1929.47 2904.25,1938.56 2896.43,1948.75 2890,1959.88 2885.09,1971.75 2881.76,1984.16 2880.08,1996.9 2880.08,2003.32 2880.08,4129.31 2880.08,4135.73 2881.76,4148.47 2885.09,4160.88 2890,4172.75 2896.43,4183.88 2904.25,4194.07 2913.33,4203.16 2923.53,4210.98 2934.65,4217.4 2946.53,4222.32 2958.94,4225.64 2971.67,4227.32 4716.81,4227.32
VCC_3.3V on VCC (split plane): 4729.54,4225.64 4741.95,4222.32 4753.82,4217.4 4764.95,4210.98 4775.14,4203.16 4784.23,4194.07 4792.05,4183.88 4798.48,4172.75 4803.39,4160.88 4806.72,4148.47 4808.39,4135.73 4808.39,4129.31 4808.39,2310.1 4625,2310.1 4623.05,2309.71 4621.4,2308.6 4566.4,2253.6 4565.29,2251.95 4564.9,2250 4564.9,2132.11 4532.89,2100.1 4015.1,2100.1 4015.1,2370 4014.71,2371.95 4013.6,2373.6 4011.95,2374.71 4010,2375.1 3877.11,2375.1 3875.1,2377.11 3875.1,2410 3874.71,2411.95 3873.6,2413.6 3828.6,2458.6 3826.95,2459.71 3825,2460.1 2880.08,2460.1 2880.08,4129.31 2880.08,4135.73 2881.76,4148.47 2885.09,4160.88 2890,4172.75 2896.43,4183.88 2904.25,4194.07 2913.33,4203.16 2923.53,4210.98 2934.65,4217.4 2946.53,4222.32 2958.94,4225.64 2971.67,4227.32 4716.81,4227.32
VCC_5V on VCC (split plane): 3864.9,2407.89 3864.9,2375 3865.29,2373.05 3866.4,2371.4 3871.4,2366.4 3873.05,2365.29 3875,2364.9 4004.9,2364.9 4004.9,2095 4005.29,2093.05 4006.4,2091.4 4008.05,2090.29 4010,2089.9 4535,2089.9 4536.95,2090.29 4538.6,2091.4 4573.6,2126.4 4574.71,2128.05 4575.1,2130 4575.1,2247.89 4627.11,2299.9 4808.39,2299.9 4808.39,2003.32 4808.39,1996.9 4806.72,1984.16 4803.39,1971.75 4798.48,1959.88 4792.05,1948.75 4784.23,1938.56 4775.14,1929.47 4764.95,1921.65 4753.82,1915.23 4741.95,1910.31 4729.54,1906.99 4716.81,1905.31 2971.67,1905.31 2958.94,1906.99 2946.53,1910.31 2934.65,1915.23 2923.53,1921.65 2913.33,1929.47 2904.25,1938.56 2896.43,1948.75 2890,1959.88 2885.09,1971.75 2881.76,1984.16 2880.08,1996.9 2880.08,2003.32 2880.08,2449.9 3822.89,2449.9

## Other copper
VCC (plane layer: these items are gaps in the copper):
  lines w10: 2880,2455 3825,2455 3870,2410 3870,2375 3875,2370 4010,2370 4010,2095 4535,2095 4570,2130 4570,2250 4625,2305 4810,2305

## Silkscreen, mask and mechanical layers (free items; w line width, h text height)
Top Overlay:
  lines w6: 4395,3115 4470,3115 4473,3115 4479,3121
Mechanical 1:
  circle w0.5: c2978.1,2003.32 r102.36
  circle w0.5: c2978.1,2003.32 r59.06
  circle w0.5: c4710.38,2003.32 r102.36
  circle w0.5: c4710.38,2003.32 r59.06
  circle w0.5: c4710.38,4129.31 r102.36
  circle w0.5: c4710.38,4129.31 r59.06
  circle w0.5: c2978.1,4129.31 r102.36
  circle w0.5: c2978.1,4129.31 r59.06
  lines w0.5: 2859.99,2003.32 ccw(c2978.1,2003.32) 2978.1,1885.21 4710.38,1885.21 ccw(c4710.38,2003.32) 4828.49,2003.32 4828.49,4129.31 ccw(c4710.38,4129.31) 4710.38,4247.42 2978.1,4247.42 ccw(c2978.1,4129.31) 2859.99,4129.31 2859.99,2003.32

## Text inside footprints (layer, text, board x,y; h text height)
SW1: Top Overlay "ON" at 4780,3440 h20 r180